# KiCad board panel.kicad_pcb (continued)
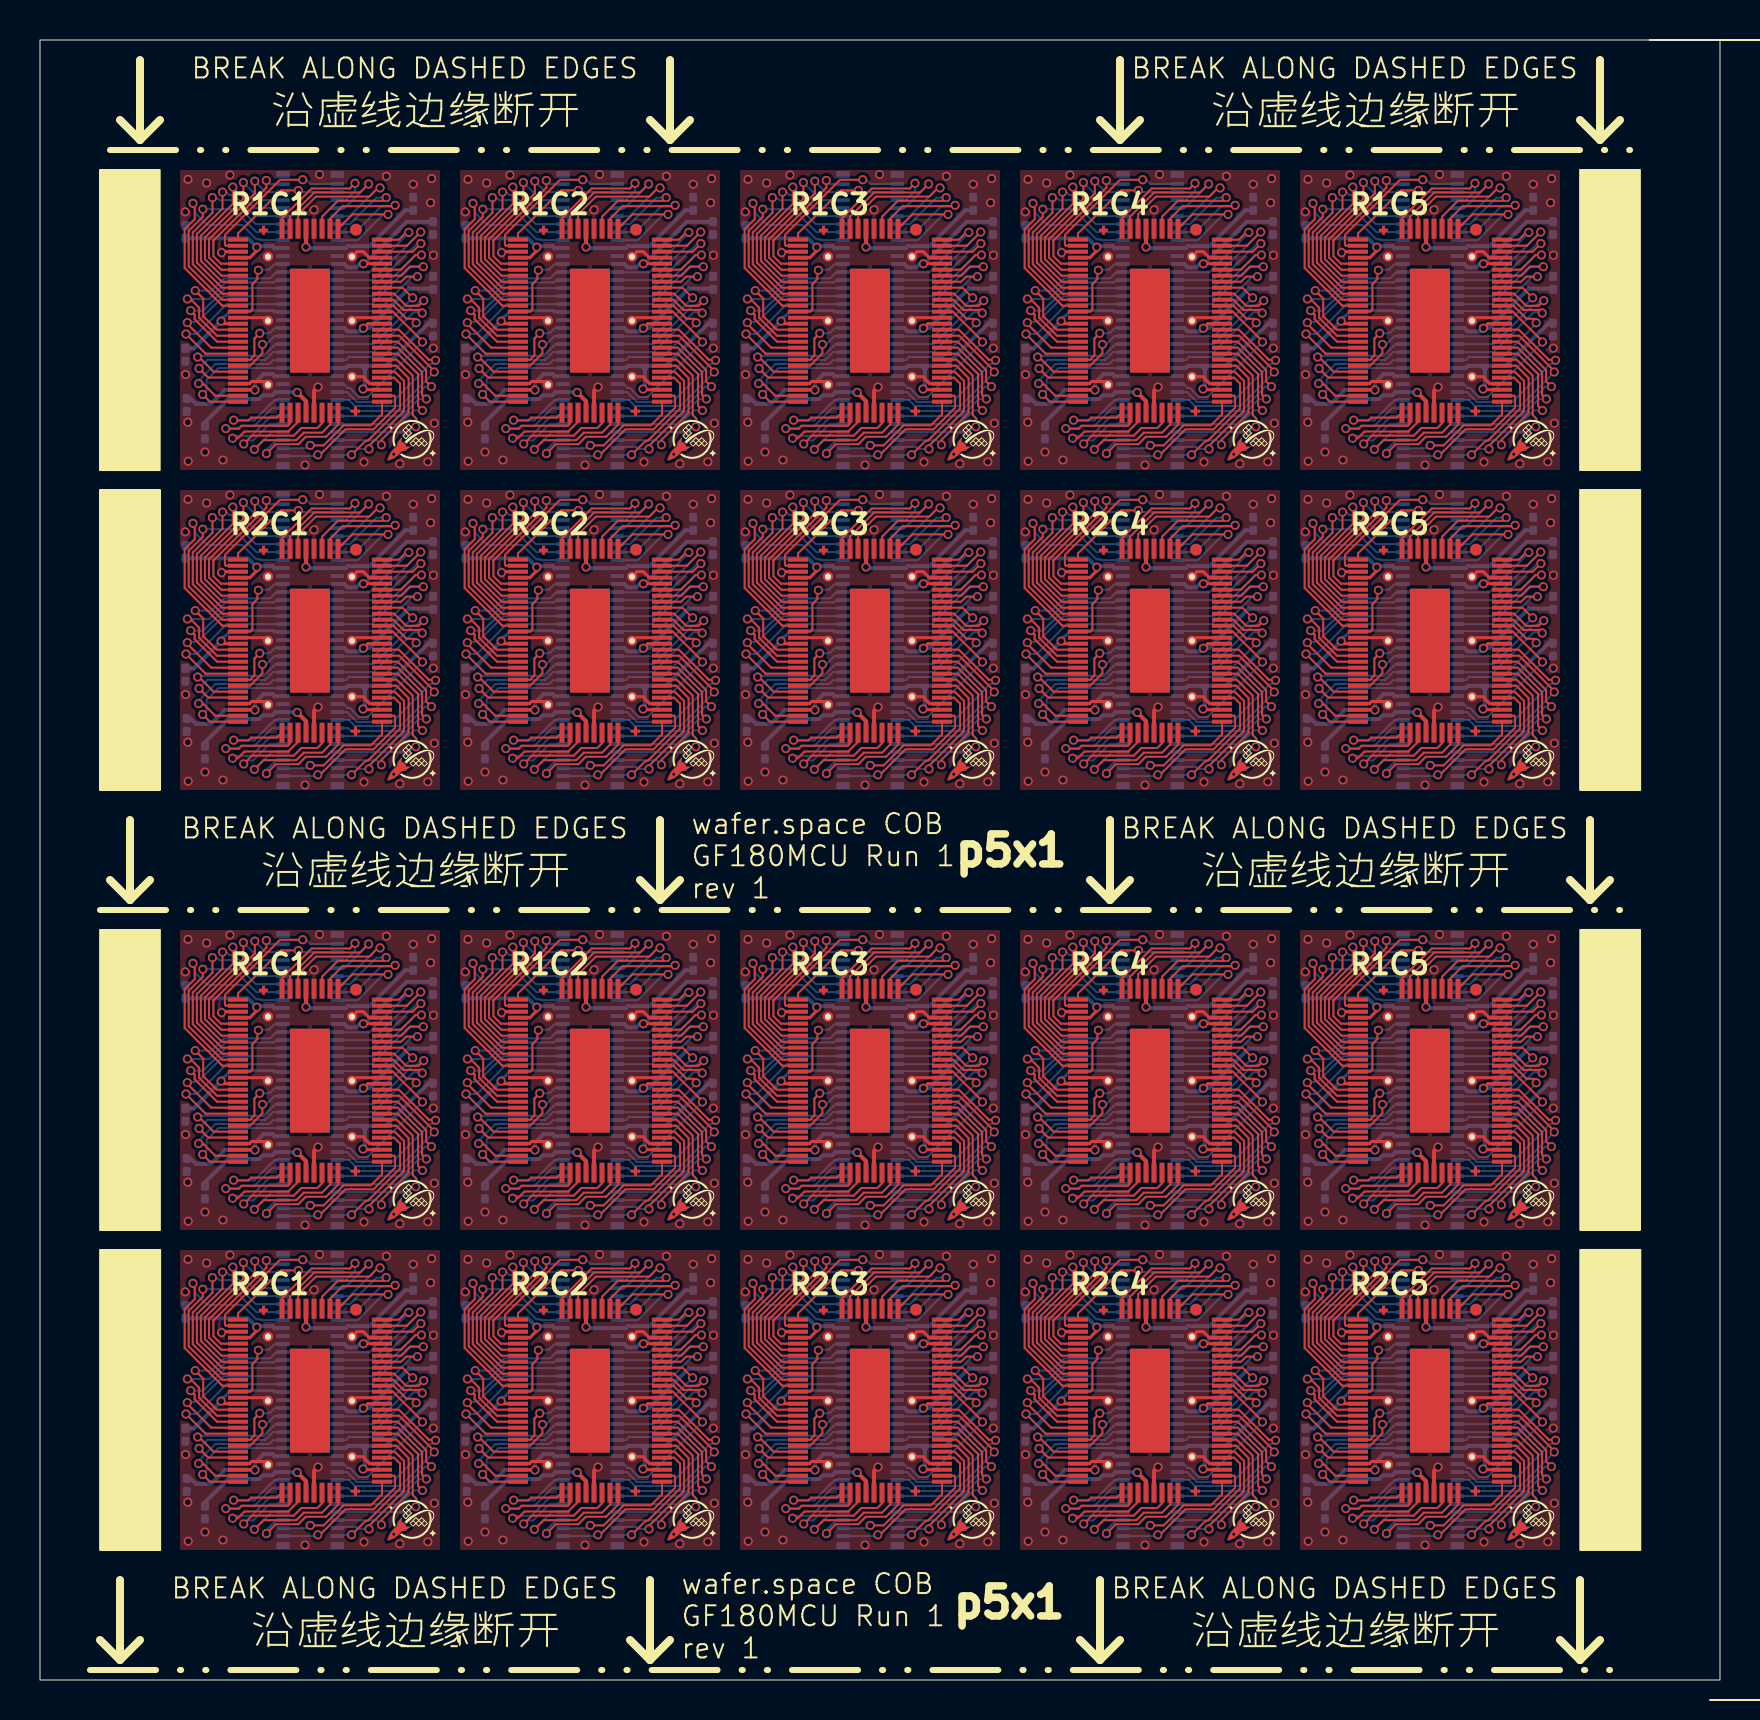
[diagram p0: board, top side]
## Routing (per net, layer and track width the routed paths; a pad name or vN(x,y) marks a point on that pad's centre or on a via; arc(x,y) is an arc through that point) (continued)
/bidir_14: length 169.1
  Top w0.1: v1(63.37,13.87) 63.33,13.84 63.33,13.84 64.56,12.61 65.9,12.61 ; v1(35.37,51.87) 35.33,51.84 35.33,51.84 36.56,50.61 37.9,50.61 ; 37.9,28.61 36.56,28.61 35.33,29.84 35.33,29.84 v1(35.37,29.87) ; 9.9,50.61 8.56,50.61 7.33,51.84 7.33,51.84 v1(7.37,51.87) ; v1(7.37,67.87) 7.33,67.84 7.33,67.84 8.56,66.62 U102#2.27 ; v1(21.37,29.87) 21.33,29.84 21.33,29.84 22.56,28.61 23.9,28.61 ; 23.9,50.61 22.56,50.61 21.33,51.84 21.33,51.84 v1(21.37,51.87) ; U108#2.27 50.56,66.62 49.33,67.84 49.33,67.84 v1(49.37,67.87) ; U106#2.27 36.56,66.62 35.33,67.84 35.33,67.84 v1(35.37,67.87) ; 65.9,28.61 64.56,28.61 63.33,29.84 63.33,29.84 v1(63.37,29.87) ; v1(49.37,13.87) 49.33,13.84 49.33,13.84 50.56,12.61 51.9,12.61 ; v1(7.37,13.87) 7.33,13.84 7.33,13.84 8.56,12.61 9.9,12.61 ; 23.9,12.61 22.56,12.61 21.33,13.84 21.33,13.84 v1(21.37,13.87) ; v1(63.37,51.87) 63.33,51.84 63.33,51.84 64.56,50.61 65.9,50.61 ; v1(21.37,67.87) 21.33,67.84 21.33,67.84 22.56,66.62 U104#2.27 ; U110#2.27 64.56,66.62 63.33,67.84 63.33,67.84 v1(63.37,67.87) ; 51.9,28.61 50.56,28.61 49.33,29.84 49.33,29.84 v1(49.37,29.87) ; 9.9,28.61 8.56,28.61 7.33,29.84 7.33,29.84 v1(7.37,29.87) ; 37.9,12.61 36.56,12.61 35.33,13.84 35.33,13.84 v1(35.37,13.87) ; 51.9,50.61 50.56,50.61 49.33,51.84 49.33,51.84 v1(49.37,51.87)
  Bottom w0.1: v1(7.37,13.87) 7.4,13.91 7.89,13.91 9.18,15.2 U111#2.56 ; U115.56 37.18,15.2 35.89,13.91 35.4,13.91 v1(35.37,13.87) ; v1(7.37,67.87) 7.4,67.91 7.89,67.91 9.18,69.19 U101.56 ; v1(49.37,29.87) 49.4,29.91 49.89,29.91 51.18,31.2 U107#2.56 ; U117.56 51.18,15.2 49.89,13.91 49.4,13.91 v1(49.37,13.87) ; U105.56 37.18,31.2 35.89,29.91 35.4,29.91 v1(35.37,29.87) ; v1(35.37,67.87) 35.4,67.91 35.89,67.91 37.18,69.19 U105#2.56 ; v1(63.37,67.87) 63.4,67.91 63.89,67.91 65.18,69.19 U109.56 ; U101#2.56 9.18,31.2 7.89,29.91 7.4,29.91 v1(7.37,29.87) ; U103.56 23.18,31.2 21.89,29.91 21.4,29.91 v1(21.37,29.87) ; v1(7.37,51.87) 7.4,51.91 7.89,51.91 9.18,53.2 U111.56 ; U113#2.56 23.18,15.2 21.89,13.91 21.4,13.91 v1(21.37,13.87) ; U103#2.56 23.18,69.19 21.89,67.91 21.4,67.91 v1(21.37,67.87) ; v1(63.37,29.87) 63.4,29.91 63.89,29.91 65.18,31.2 U109#2.56 ; v1(35.37,51.87) 35.4,51.91 35.89,51.91 37.18,53.2 U115#2.56 ; U117#2.56 51.18,53.2 49.89,51.91 49.4,51.91 v1(49.37,51.87) ; v1(49.37,67.87) 49.4,67.91 49.89,67.91 51.18,69.19 U107.56 ; v1(63.37,13.87) 63.4,13.91 63.89,13.91 65.18,15.2 U119.56 ; U113.56 23.18,53.2 21.89,51.91 21.4,51.91 v1(21.37,51.87) ; U119#2.56 65.18,53.2 63.89,51.91 63.4,51.91 v1(63.37,51.87)
/bidir_15: length 169.6
  Top w0.1: v1(49.3,13.3) 50.29,12.31 U118#2.28 ; v1(63.3,67.3) 64.28,66.31 65.9,66.31 ; v1(49.3,51.3) 50.29,50.31 U118.28 ; U106.28 36.29,28.31 v1(35.3,29.3) ; U108.28 50.29,28.31 v1(49.3,29.3) ; U120.28 64.28,12.31 v1(63.3,13.3) ; U116.28 36.29,50.31 v1(35.3,51.3) ; v1(35.3,67.3) 36.29,66.31 37.9,66.31 ; 23.9,66.31 22.29,66.31 v1(21.3,67.3) ; U110.28 64.28,28.31 v1(63.3,29.3) ; v1(7.3,13.3) 8.29,12.31 U112#2.28 ; U114#2.28 22.29,12.31 v1(21.3,13.3) ; U114.28 22.29,50.31 v1(21.3,51.3) ; v1(7.3,29.3) 8.29,28.31 U102.28 ; U120#2.28 64.28,50.31 v1(63.3,51.3) ; 9.9,66.31 8.29,66.31 v1(7.3,67.3) ; 51.9,66.31 50.29,66.31 v1(49.3,67.3) ; v1(21.3,29.3) 22.29,28.31 U104.28 ; v1(7.3,51.3) 8.29,50.31 U112.28 ; U116#2.28 36.29,12.31 v1(35.3,13.3)
  Bottom w0.1: U109#2.55 65.34,30.8 63.84,29.3 v1(63.3,29.3) ; v1(63.3,51.3) 63.84,51.3 65.34,52.8 U119#2.55 ; U117.55 51.34,14.8 49.84,13.3 v1(49.3,13.3) ; v1(49.3,29.3) 49.84,29.3 51.34,30.8 U107#2.55 ; U103.55 23.34,30.8 21.84,29.3 v1(21.3,29.3) ; v1(35.3,51.3) 35.84,51.3 37.34,52.8 U115#2.55 ; U103#2.55 23.34,68.8 21.84,67.3 v1(21.3,67.3) ; U107.55 51.34,68.8 49.84,67.3 v1(49.3,67.3) ; v1(7.3,67.3) 7.84,67.3 9.34,68.8 U101.55 ; v1(21.3,51.3) 21.84,51.3 23.34,52.8 U113.55 ; v1(49.3,51.3) 49.84,51.3 51.34,52.8 U117#2.55 ; v1(63.3,13.3) 63.84,13.3 65.34,14.8 U119.55 ; v1(35.3,29.3) 35.84,29.3 37.34,30.8 U105.55 ; U109.55 65.34,68.8 63.84,67.3 v1(63.3,67.3) ; U111#2.55 9.34,14.8 7.84,13.3 v1(7.3,13.3) ; v1(7.3,29.3) 7.84,29.3 9.34,30.8 U101#2.55 ; U111.55 9.34,52.8 7.84,51.3 v1(7.3,51.3) ; v1(35.3,67.3) 35.84,67.3 37.34,68.8 U105#2.55 ; U113#2.55 23.34,14.8 21.84,13.3 v1(21.3,13.3) ; v1(35.3,13.3) 35.84,13.3 37.34,14.8 U115.55
/bidir_16: length 68.1
  Top w0.1: U118#2.29 52.51,12.02 52.72,12.23 52.72,13.07 v1(52.98,13.34) ; v1(10.98,13.34) 10.72,13.07 10.72,12.23 10.51,12.02 U112#2.29 ; U120.29 66.51,12.02 66.72,12.23 66.72,13.07 v1(66.98,13.34) ; v1(24.98,29.34) 24.72,29.07 24.72,28.23 24.51,28.02 U104.29 ; v1(66.98,51.34) 66.72,51.07 66.72,50.23 66.51,50.02 U120#2.29 ; v1(10.98,51.34) 10.72,51.07 10.72,50.23 10.51,50.02 U112.29 ; v1(38.98,13.34) 38.72,13.07 38.72,12.23 38.51,12.02 U116#2.29 ; U116.29 38.51,50.02 38.72,50.23 38.72,51.07 v1(38.98,51.34) ; v1(66.98,29.34) 66.72,29.07 66.72,28.23 66.51,28.02 U110.29 ; U114#2.29 24.51,12.02 24.72,12.23 24.72,13.07 v1(24.98,13.34) ; v1(52.98,29.34) 52.72,29.07 52.72,28.23 52.51,28.02 U108.29 ; v1(52.98,51.34) 52.72,51.07 52.72,50.23 52.51,50.02 U118.29 ; v1(10.98,29.34) 10.72,29.07 10.72,28.23 10.51,28.02 U102.29 ; U106.29 38.51,28.02 38.72,28.23 38.72,29.07 v1(38.98,29.34) ; U102#2.29 10.51,66.02 10.72,66.23 10.72,67.07 v1(10.98,67.34) ; v1(24.98,67.34) 24.72,67.07 24.72,66.23 24.51,66.02 U104#2.29 ; U106#2.29 38.51,66.02 38.72,66.23 38.72,67.07 v1(38.98,67.34) ; v1(24.98,51.34) 24.72,51.07 24.72,50.23 24.51,50.02 U114.29 ; U110#2.29 66.51,66.02 66.72,66.23 66.72,67.07 v1(66.98,67.34) ; U108#2.29 52.51,66.02 52.72,66.23 52.72,67.07 v1(52.98,67.34)
  Bottom w0.1: v1(24.98,13.34) 25.47,13.34 25.73,13.59 U113#2.52 ; v1(52.98,13.34) 53.47,13.34 53.73,13.59 U117.52 ; v1(52.98,29.34) 53.47,29.34 53.73,29.59 U107#2.52 ; U103.52 25.73,29.59 25.47,29.34 v1(24.98,29.34) ; U107.52 53.73,67.59 53.47,67.34 v1(52.98,67.34) ; U103#2.52 25.73,67.59 25.47,67.34 v1(24.98,67.34) ; v1(66.98,51.34) 67.47,51.34 67.72,51.59 U119#2.52 ; v1(38.98,51.34) 39.47,51.34 39.73,51.59 U115#2.52 ; U105.52 39.73,29.59 39.47,29.34 v1(38.98,29.34) ; v1(66.98,29.34) 67.47,29.34 67.72,29.59 U109#2.52 ; U115.52 39.73,13.59 39.47,13.34 v1(38.98,13.34) ; U119.52 67.72,13.59 67.47,13.34 v1(66.98,13.34) ; v1(66.98,67.34) 67.47,67.34 67.72,67.59 U109.52 ; U101.52 11.73,67.59 11.47,67.34 v1(10.98,67.34) ; v1(52.98,51.34) 53.47,51.34 53.73,51.59 U117#2.52 ; v1(10.98,29.34) 11.47,29.34 11.73,29.59 U101#2.52 ; v1(10.98,51.34) 11.47,51.34 11.73,51.59 U111.52 ; v1(24.98,51.34) 25.47,51.34 25.73,51.59 U113.52 ; U111#2.52 11.73,13.59 11.47,13.34 v1(10.98,13.34) ; v1(38.98,67.34) 39.47,67.34 39.73,67.59 U105#2.52
/bidir_17: length 62.6
  Top w0.1: U118#2.30 52.5,11.72 53.12,12.33 v1(53.12,12.78) ; v1(11.12,28.78) 11.12,28.33 10.5,27.72 U102.30 ; U116.30 38.5,49.72 39.12,50.33 v1(39.12,50.78) ; v1(11.12,50.78) 11.12,50.33 10.5,49.72 U112.30 ; v1(11.12,12.78) 11.12,12.33 10.5,11.72 U112#2.30 ; v1(39.12,28.78) 39.12,28.33 38.5,27.72 U106.30 ; v1(25.12,28.78) 25.12,28.33 24.5,27.72 U104.30 ; v1(67.12,66.78) 67.12,66.33 66.5,65.72 U110#2.30 ; U114.30 24.5,49.72 25.12,50.33 v1(25.12,50.78) ; U116#2.30 38.5,11.72 39.12,12.33 v1(39.12,12.78) ; v1(25.12,66.78) 25.12,66.33 24.5,65.72 U104#2.30 ; v1(25.12,12.78) 25.12,12.33 24.5,11.72 U114#2.30 ; v1(39.12,66.78) 39.12,66.33 38.5,65.72 U106#2.30 ; v1(53.12,66.78) 53.12,66.33 52.5,65.72 U108#2.30 ; v1(11.12,66.78) 11.12,66.33 10.5,65.72 U102#2.30 ; v1(67.12,12.78) 67.12,12.33 66.5,11.72 U120.30 ; U108.30 52.5,27.72 53.12,28.33 v1(53.12,28.78) ; U120#2.30 66.5,49.72 67.12,50.33 v1(67.12,50.78) ; v1(67.12,28.78) 67.12,28.33 66.5,27.72 U110.30 ; U118.30 52.5,49.72 53.12,50.33 v1(53.12,50.78)
  Bottom w0.1: U109#2.51 67.72,29.2 67.31,28.78 v1(67.12,28.78) ; v1(67.12,66.78) 67.31,66.78 67.72,67.19 U109.51 ; U119#2.51 67.72,51.2 67.31,50.78 v1(67.12,50.78) ; U111.51 11.73,51.2 11.31,50.78 v1(11.12,50.78) ; v1(25.12,12.78) 25.31,12.78 25.73,13.2 U113#2.51 ; U105#2.51 39.73,67.19 39.31,66.78 v1(39.12,66.78) ; v1(11.12,66.78) 11.31,66.78 11.73,67.19 U101.51 ; v1(39.12,50.78) 39.31,50.78 39.73,51.2 U115#2.51 ; U107#2.51 53.73,29.2 53.31,28.78 v1(53.12,28.78) ; U119.51 67.72,13.2 67.31,12.78 v1(67.12,12.78) ; U101#2.51 11.73,29.2 11.31,28.78 v1(11.12,28.78) ; v1(25.12,28.78) 25.31,28.78 25.73,29.2 U103.51 ; U107.51 53.73,67.19 53.31,66.78 v1(53.12,66.78) ; U105.51 39.73,29.2 39.31,28.78 v1(39.12,28.78) ; v1(53.12,50.78) 53.31,50.78 53.73,51.2 U117#2.51 ; U113.51 25.73,51.2 25.31,50.78 v1(25.12,50.78) ; v1(25.12,66.78) 25.31,66.78 25.73,67.19 U103#2.51 ; U115.51 39.73,13.2 39.31,12.78 v1(39.12,12.78) ; v1(11.12,12.78) 11.31,12.78 11.73,13.2 U111#2.51 ; v1(53.12,12.78) 53.31,12.78 53.73,13.2 U117.51
/bidir_18: length 137.3
  Top w0.1: v1(35.88,66.15) 35.95,66.15 36.68,65.41 37.9,65.41 ; U118.31 50.68,49.42 49.95,50.15 v1(49.88,50.15) ; U120#2.31 64.68,49.42 63.95,50.15 v1(63.88,50.15) ; v1(21.88,12.15) 21.95,12.15 22.68,11.42 U114#2.31 ; v1(7.88,50.15) 7.95,50.15 8.68,49.42 U112.31 ; v1(21.88,50.15) 21.95,50.15 22.68,49.42 U114.31 ; U120.31 64.68,11.42 63.95,12.15 v1(63.88,12.15) ; v1(63.88,66.15) 63.95,66.15 64.68,65.41 65.9,65.41 ; v1(7.88,66.15) 7.95,66.15 8.68,65.41 9.9,65.41 ; v1(35.88,50.15) 35.95,50.15 36.68,49.42 U116.31 ; U104.31 22.68,27.42 21.95,28.15 v1(21.88,28.15) ; v1(49.88,28.15) 49.95,28.15 50.68,27.42 U108.31 ; v1(49.88,66.15) 49.95,66.15 50.68,65.41 51.9,65.41 ; U102.31 8.68,27.42 7.95,28.15 v1(7.88,28.15) ; U112#2.31 8.68,11.42 7.95,12.15 v1(7.88,12.15) ; v1(35.88,12.15) 35.95,12.15 36.68,11.42 U116#2.31 ; v1(35.88,28.15) 35.95,28.15 36.68,27.42 U106.31 ; U118#2.31 50.68,11.42 49.95,12.15 v1(49.88,12.15) ; v1(63.88,28.15) 63.95,28.15 64.68,27.42 U110.31 ; 23.9,65.41 22.68,65.41 21.95,66.15 v1(21.88,66.15)
  Bottom w0.1: U115#2.50 39.76,50.8 39.18,50.21 35.94,50.21 v1(35.88,50.15) ; U119#2.50 67.76,50.8 67.18,50.21 63.94,50.21 v1(63.88,50.15) ; U111#2.50 11.76,12.8 11.18,12.21 7.94,12.21 v1(7.88,12.15) ; U105#2.50 39.76,66.8 39.18,66.21 35.94,66.21 v1(35.88,66.15) ; U105.50 39.76,28.8 39.18,28.21 35.94,28.21 v1(35.88,28.15) ; v1(7.88,50.15) 7.94,50.21 11.18,50.21 11.76,50.8 U111.50 ; U113.50 25.76,50.8 25.18,50.21 21.94,50.21 v1(21.88,50.15) ; U107#2.50 53.76,28.8 53.18,28.21 49.94,28.21 v1(49.88,28.15) ; U103.50 25.76,28.8 25.18,28.21 21.94,28.21 v1(21.88,28.15) ; v1(21.88,12.15) 21.94,12.21 25.18,12.21 25.76,12.8 U113#2.50 ; v1(49.88,12.15) 49.94,12.21 53.18,12.21 53.76,12.8 U117.50 ; v1(49.88,50.15) 49.94,50.21 53.18,50.21 53.76,50.8 U117#2.50 ; v1(49.88,66.15) 49.94,66.21 53.18,66.21 53.76,66.8 U107.50 ; U103#2.50 25.76,66.8 25.18,66.21 21.94,66.21 v1(21.88,66.15) ; U115.50 39.76,12.8 39.18,12.21 35.94,12.21 v1(35.88,12.15) ; v1(7.88,66.15) 7.94,66.21 11.18,66.21 11.76,66.8 U101.50 ; v1(63.88,28.15) 63.94,28.21 67.18,28.21 67.76,28.8 U109#2.50 ; v1(63.88,12.15) 63.94,12.21 67.18,12.21 67.76,12.8 U119.50 ; v1(63.88,66.15) 63.94,66.21 67.18,66.21 67.76,66.8 U109.50 ; U101#2.50 11.76,28.8 11.18,28.21 7.94,28.21 v1(7.88,28.15)
/bidir_19: length 133.7
  Top w0.1: 65.9,27.11 65.89,27.12 64.41,27.12 v1(63.95,27.58) ; v1(35.95,11.58) 36.41,11.12 37.89,11.12 37.9,11.11 ; 65.9,49.11 65.89,49.12 64.41,49.12 v1(63.95,49.58) ; v1(49.95,65.58) 50.41,65.12 51.89,65.12 U108#2.32 ; v1(21.95,65.58) 22.41,65.12 23.89,65.12 U104#2.32 ; v1(7.95,11.58) 8.41,11.12 9.89,11.12 9.9,11.11 ; v1(21.95,49.58) 22.41,49.12 23.89,49.12 23.9,49.11 ; 23.9,27.11 23.89,27.12 22.41,27.12 v1(21.95,27.58) ; 37.9,49.11 37.89,49.12 36.41,49.12 v1(35.95,49.58) ; 9.9,49.11 9.89,49.12 8.41,49.12 v1(7.95,49.58) ; U110#2.32 65.89,65.12 64.41,65.12 v1(63.95,65.58) ; 51.9,27.11 51.89,27.12 50.41,27.12 v1(49.95,27.58) ; 23.9,11.11 23.89,11.12 22.41,11.12 v1(21.95,11.58) ; v1(63.95,11.58) 64.41,11.12 65.89,11.12 65.9,11.11 ; 37.9,27.11 37.89,27.12 36.41,27.12 v1(35.95,27.58) ; v1(49.95,49.58) 50.41,49.12 51.89,49.12 51.9,49.11 ; v1(7.95,65.58) 8.41,65.12 9.89,65.12 U102#2.32 ; U106#2.32 37.89,65.12 36.41,65.12 v1(35.95,65.58) ; v1(49.95,11.58) 50.41,11.12 51.89,11.12 51.9,11.11 ; 9.9,27.11 9.89,27.12 8.41,27.12 v1(7.95,27.58)
  Bottom w0.1: 68.16,28.39 67.65,28.39 67.26,28.01 64.38,28.01 v1(63.95,27.58) ; 54.15,28.39 53.65,28.39 53.26,28.01 50.38,28.01 v1(49.95,27.58) ; v1(63.95,11.58) 64.38,12.01 67.26,12.01 67.65,12.39 68.16,12.39 ; 26.15,28.39 25.65,28.39 25.26,28.01 22.38,28.01 v1(21.95,27.58) ; 54.15,50.39 53.65,50.39 53.26,50.01 50.38,50.01 v1(49.95,49.58) ; 26.15,50.39 25.65,50.39 25.26,50.01 22.38,50.01 v1(21.95,49.58) ; v1(35.95,11.58) 36.38,12.01 39.26,12.01 39.65,12.39 40.15,12.39 ; v1(21.95,65.58) 22.38,66.01 25.26,66.01 25.65,66.4 U103#2.49 ; 40.15,28.39 39.65,28.39 39.26,28.01 36.38,28.01 v1(35.95,27.58) ; v1(63.95,49.58) 64.38,50.01 67.26,50.01 67.65,50.39 68.16,50.39 ; v1(35.95,65.58) 36.38,66.01 39.26,66.01 39.65,66.4 U105#2.49 ; 40.15,50.39 39.65,50.39 39.26,50.01 36.38,50.01 v1(35.95,49.58) ; U107.49 53.65,66.4 53.26,66.01 50.38,66.01 v1(49.95,65.58) ; U101.49 11.65,66.4 11.26,66.01 8.38,66.01 v1(7.95,65.58) ; v1(7.95,49.58) 8.38,50.01 11.26,50.01 11.65,50.39 12.15,50.39 ; v1(49.95,11.58) 50.38,12.01 53.26,12.01 53.65,12.39 54.15,12.39 ; 26.15,12.39 25.65,12.39 25.26,12.01 22.38,12.01 v1(21.95,11.58) ; 12.15,12.39 11.65,12.39 11.26,12.01 8.38,12.01 v1(7.95,11.58) ; U109.49 67.65,66.4 67.26,66.01 64.38,66.01 v1(63.95,65.58) ; 12.15,28.39 11.65,28.39 11.26,28.01 8.38,28.01 v1(7.95,27.58)
/bidir_20: length 140.3
  Top w0.1: v1(63.93,48.82) 64.16,48.82 64.76,48.22 U120#2.35 ; v1(21.93,10.82) 22.16,10.82 22.76,10.22 U114#2.35 ; U110#2.35 64.76,64.22 64.16,64.82 v1(63.93,64.82) ; U104#2.35 22.76,64.22 22.16,64.82 v1(21.93,64.82) ; U102.35 8.76,26.22 8.16,26.82 v1(7.93,26.82) ; U114.35 22.76,48.22 22.16,48.82 v1(21.93,48.82) ; U116#2.35 36.76,10.22 36.16,10.82 v1(35.93,10.82) ; U106.35 36.76,26.22 36.16,26.82 v1(35.93,26.82) ; v1(7.93,64.82) 8.16,64.82 8.76,64.22 U102#2.35 ; v1(63.93,26.82) 64.16,26.82 64.76,26.22 U110.35 ; v1(7.93,10.82) 8.16,10.82 8.76,10.22 U112#2.35 ; U108.35 50.76,26.22 50.16,26.82 v1(49.93,26.82) ; U118.35 50.76,48.22 50.16,48.82 v1(49.93,48.82) ; U118#2.35 50.76,10.22 50.16,10.82 v1(49.93,10.82) ; U112.35 8.76,48.22 8.16,48.82 v1(7.93,48.82) ; v1(21.93,26.82) 22.16,26.82 22.76,26.22 U104.35 ; U116.35 36.76,48.22 36.16,48.82 v1(35.93,48.82) ; v1(63.93,10.82) 64.16,10.82 64.76,10.22 U120.35 ; U108#2.35 50.76,64.22 50.16,64.82 v1(49.93,64.82) ; U106#2.35 36.76,64.22 36.16,64.82 v1(35.93,64.82)
  Bottom w0.1: v1(63.93,10.82) 63.93,10.96 64.77,11.8 67.47,11.8 67.66,12 U119.48 ; v1(21.93,64.82) 21.93,64.96 22.77,65.8 25.47,65.8 25.66,66 U103#2.48 ; v1(7.93,26.82) 7.93,26.96 8.77,27.8 11.47,27.8 11.66,28 U101#2.48 ; U109#2.48 67.66,28 67.47,27.8 64.77,27.8 63.93,26.96 v1(63.93,26.82) ; U105#2.48 39.66,66 39.47,65.8 36.77,65.8 35.93,64.96 v1(35.93,64.82) ; U107.48 53.66,66 53.47,65.8 50.77,65.8 49.93,64.96 v1(49.93,64.82) ; U113#2.48 25.66,12 25.47,11.8 22.77,11.8 21.93,10.96 v1(21.93,10.82) ; U103.48 25.66,28 25.47,27.8 22.77,27.8 21.93,26.96 v1(21.93,26.82) ; v1(63.93,64.82) 63.93,64.96 64.77,65.8 67.47,65.8 67.66,66 U109.48 ; U111.48 11.66,50 11.47,49.8 8.77,49.8 7.93,48.96 v1(7.93,48.82) ; v1(49.93,26.82) 49.93,26.96 50.77,27.8 53.47,27.8 53.66,28 U107#2.48 ; U105.48 39.66,28 39.47,27.8 36.77,27.8 35.93,26.96 v1(35.93,26.82) ; v1(35.93,48.82) 35.93,48.96 36.77,49.8 39.47,49.8 39.66,50 U115#2.48 ; v1(35.93,10.82) 35.93,10.96 36.77,11.8 39.47,11.8 39.66,12 U115.48 ; v1(7.93,64.82) 7.93,64.96 8.77,65.8 11.47,65.8 11.66,66 U101.48 ; U119#2.48 67.66,50 67.47,49.8 64.77,49.8 63.93,48.96 v1(63.93,48.82) ; U117#2.48 53.66,50 53.47,49.8 50.77,49.8 49.93,48.96 v1(49.93,48.82) ; U117.48 53.66,12 53.47,11.8 50.77,11.8 49.93,10.96 v1(49.93,10.82) ; v1(21.93,48.82) 21.93,48.96 22.77,49.8 25.47,49.8 25.66,50 U113.48 ; v1(7.93,10.82) 7.93,10.96 8.77,11.8 11.47,11.8 11.66,12 U111#2.48
/bidir_21: length 135.9
  Top w0.1: U118#2.36 50.49,9.92 v1(50.13,10.28) ; v1(36.13,64.28) 36.49,63.91 37.9,63.91 ; v1(64.13,10.28) 64.5,9.92 U120.36 ; U104.36 22.49,25.92 v1(22.13,26.28) ; v1(22.13,10.28) 22.49,9.92 U114#2.36 ; v1(8.13,26.28) 8.49,25.92 U102.36 ; v1(22.13,64.28) 22.49,63.91 23.9,63.91 ; v1(64.13,48.28) 64.5,47.92 U120#2.36 ; v1(36.13,48.28) 36.49,47.92 U116.36 ; v1(36.13,26.28) 36.49,25.92 U106.36 ; v1(8.13,48.28) 8.49,47.92 U112.36 ; v1(50.13,26.28) 50.49,25.92 U108.36 ; v1(50.13,48.28) 50.49,47.92 U118.36 ; v1(50.13,64.28) 50.49,63.91 51.9,63.91 ; v1(64.13,64.28) 64.5,63.91 65.9,63.91 ; v1(8.13,64.28) 8.49,63.91 9.9,63.91 ; v1(64.13,26.28) 64.5,25.92 U110.36 ; v1(8.13,10.28) 8.49,9.92 U112#2.36 ; v1(36.13,10.28) 36.49,9.92 U116#2.36 ; U114.36 22.49,47.92 v1(22.13,48.28)
  Bottom w0.1: v1(8.13,26.28) 8.33,26.48 8.33,27 8.93,27.6 12.15,27.6 U101#2.47 ; U117.47 54.15,11.6 50.93,11.6 50.33,11 50.33,10.48 v1(50.13,10.28) ; U115#2.47 40.15,49.6 36.93,49.6 36.33,49 36.33,48.48 v1(36.13,48.28) ; U117#2.47 54.15,49.6 50.93,49.6 50.33,49 50.33,48.48 v1(50.13,48.28) ; U103#2.47 26.15,65.6 22.93,65.6 22.33,65 22.33,64.48 v1(22.13,64.28) ; U103.47 26.15,27.6 22.93,27.6 22.33,27 22.33,26.48 v1(22.13,26.28) ; U111.47 12.15,49.6 8.93,49.6 8.33,49 8.33,48.48 v1(8.13,48.28) ; v1(8.13,10.28) 8.33,10.48 8.33,11 8.93,11.6 12.15,11.6 U111#2.47 ; U115.47 40.15,11.6 36.93,11.6 36.33,11 36.33,10.48 v1(36.13,10.28) ; U119.47 68.15,11.6 64.93,11.6 64.33,11 64.33,10.48 v1(64.13,10.28) ; v1(50.13,26.28) 50.33,26.48 50.33,27 50.93,27.6 54.15,27.6 U107#2.47 ; U109.47 68.15,65.6 64.93,65.6 64.33,65 64.33,64.48 v1(64.13,64.28) ; v1(64.13,26.28) 64.33,26.48 64.33,27 64.93,27.6 68.15,27.6 U109#2.47 ; U113.47 26.15,49.6 22.93,49.6 22.33,49 22.33,48.48 v1(22.13,48.28) ; v1(8.13,64.28) 8.33,64.48 8.33,65 8.93,65.6 12.15,65.6 U101.47 ; U105#2.47 40.15,65.6 36.93,65.6 36.33,65 36.33,64.48 v1(36.13,64.28) ; U107.47 54.15,65.6 50.93,65.6 50.33,65 50.33,64.48 v1(50.13,64.28) ; v1(64.13,48.28) 64.33,48.48 64.33,49 64.93,49.6 68.15,49.6 U119#2.47 ; U105.47 40.15,27.6 36.93,27.6 36.33,27 36.33,26.48 v1(36.13,26.28) ; v1(22.13,10.28) 22.33,10.48 22.33,11 22.93,11.6 26.15,11.6 U113#2.47
/bidir_22: length 125.4
  Top w0.1: U102.45 17.1,25.29 16.54,24.73 15.18,24.73 14.18,23.73 v1(13.51,23.73) ; v1(41.51,7.73) 42.18,7.73 43.18,8.73 44.54,8.73 45.1,9.29 U116#2.45 ; U112#2.45 17.1,9.29 16.54,8.73 15.18,8.73 14.18,7.73 v1(13.51,7.73) ; 73.1,63.91 73.1,63.29 72.55,62.73 71.19,62.73 70.18,61.73 v1(69.51,61.73) ; U108.45 59.1,25.29 58.54,24.73 57.18,24.73 56.18,23.73 v1(55.51,23.73) ; U114#2.45 31.1,9.29 30.54,8.73 29.18,8.73 28.18,7.73 v1(27.51,7.73) ; v1(27.51,45.73) 28.18,45.73 29.18,46.73 30.54,46.73 31.1,47.29 U114.45 ; v1(41.51,23.73) 42.18,23.73 43.18,24.73 44.54,24.73 45.1,25.29 U106.45 ; U110.45 73.1,25.29 72.55,24.73 71.19,24.73 70.18,23.73 v1(69.51,23.73) ; U118.45 59.1,47.29 58.54,46.73 57.18,46.73 56.18,45.73 v1(55.51,45.73) ; v1(27.51,61.73) 28.18,61.73 29.18,62.73 30.54,62.73 31.1,63.29 31.1,63.91 ; v1(27.51,23.73) 28.18,23.73 29.18,24.73 30.54,24.73 31.1,25.29 U104.45 ; v1(69.51,45.73) 70.18,45.73 71.19,46.73 72.55,46.73 73.1,47.29 U120#2.45 ; v1(41.51,45.73) 42.18,45.73 43.18,46.73 44.54,46.73 45.1,47.29 U116.45 ; v1(55.51,7.73) 56.18,7.73 57.18,8.73 58.54,8.73 59.1,9.29 U118#2.45 ; v1(13.51,61.73) 14.18,61.73 15.18,62.73 16.54,62.73 17.1,63.29 17.1,63.91 ; 45.1,63.91 45.1,63.29 44.54,62.73 43.18,62.73 42.18,61.73 v1(41.51,61.73) ; 59.1,63.91 59.1,63.29 58.54,62.73 57.18,62.73 56.18,61.73 v1(55.51,61.73) ; U120.45 73.1,9.29 72.55,8.73 71.19,8.73 70.18,7.73 v1(69.51,7.73) ; U112.45 17.1,47.29 16.54,46.73 15.18,46.73 14.18,45.73 v1(13.51,45.73)
  Bottom w0.1: v1(69.51,45.73) 69.38,45.59 U119#2.37 ; U111.37 13.37,45.59 v1(13.51,45.73) ; v1(13.51,23.73) 13.37,23.59 U101#2.37 ; v1(55.51,45.73) 55.37,45.59 U117#2.37 ; v1(13.51,61.73) 13.37,61.59 U101.37 ; v1(41.51,23.73) 41.37,23.59 U105.37 ; v1(27.51,23.73) 27.37,23.59 U103.37 ; U105#2.37 41.37,61.59 v1(41.51,61.73) ; v1(27.51,61.73) 27.37,61.59 U103#2.37 ; v1(55.51,23.73) 55.37,23.59 U107#2.37 ; U117.37 55.37,7.59 v1(55.51,7.73) ; U109.37 69.38,61.59 v1(69.51,61.73) ; U119.37 69.38,7.59 v1(69.51,7.73) ; v1(13.51,7.73) 13.37,7.59 U111#2.37 ; v1(27.51,7.73) 27.37,7.59 U113#2.37 ; U113.37 27.37,45.59 v1(27.51,45.73) ; v1(41.51,7.73) 41.37,7.59 U115.37 ; v1(41.51,45.73) 41.37,45.59 U115#2.37 ; U107.37 55.37,61.59 v1(55.51,61.73) ; v1(69.51,23.73) 69.38,23.59 U109#2.37
/bidir_23: length 156.5
  Top w0.1: v1(55.89,45.26) 56,45.26 57.27,46.53 58.67,46.53 59.75,47.61 59.75,48.17 59.71,48.22 U118.46 ; v1(27.89,61.26) 28,61.26 29.27,62.53 30.67,62.53 31.75,63.61 31.75,64.17 31.71,64.22 U104#2.46 ; U104.46 31.71,26.22 31.75,26.17 31.75,25.61 30.67,24.53 29.27,24.53 28,23.26 v1(27.89,23.26) ; v1(13.89,45.26) 14,45.26 15.27,46.53 16.67,46.53 17.75,47.61 17.75,48.17 17.71,48.22 U112.46 ; v1(27.89,7.26) 28,7.26 29.27,8.53 30.67,8.53 31.75,9.61 31.75,10.17 31.71,10.22 U114#2.46 ; v1(13.89,61.26) 14,61.26 15.27,62.53 16.67,62.53 17.75,63.61 17.75,64.17 17.71,64.22 U102#2.46 ; U110#2.46 73.71,64.22 73.75,64.17 73.75,63.61 72.67,62.53 71.27,62.53 70,61.26 v1(69.89,61.26) ; U102.46 17.71,26.22 17.75,26.17 17.75,25.61 16.67,24.53 15.27,24.53 14,23.26 v1(13.89,23.26) ; U108#2.46 59.71,64.22 59.75,64.17 59.75,63.61 58.67,62.53 57.27,62.53 56,61.26 v1(55.89,61.26) ; v1(27.89,45.26) 28,45.26 29.27,46.53 30.67,46.53 31.75,47.61 31.75,48.17 31.71,48.22 U114.46 ; v1(69.89,45.26) 70,45.26 71.27,46.53 72.67,46.53 73.75,47.61 73.75,48.17 73.71,48.22 U120#2.46 ; v1(69.89,23.26) 70,23.26 71.27,24.53 72.67,24.53 73.75,25.61 73.75,26.17 73.71,26.22 U110.46 ; v1(41.89,7.26) 42,7.26 43.27,8.53 44.67,8.53 45.75,9.61 45.75,10.17 45.71,10.22 U116#2.46 ; U120.46 73.71,10.22 73.75,10.17 73.75,9.61 72.67,8.53 71.27,8.53 70,7.26 v1(69.89,7.26) ; v1(41.89,23.26) 42,23.26 43.27,24.53 44.67,24.53 45.75,25.61 45.75,26.17 45.71,26.22 U106.46 ; v1(13.89,7.26) 14,7.26 15.27,8.53 16.67,8.53 17.75,9.61 17.75,10.17 17.71,10.22 U112#2.46 ; v1(41.89,61.26) 42,61.26 43.27,62.53 44.67,62.53 45.75,63.61 45.75,64.17 45.71,64.22 U106#2.46 ; v1(41.89,45.26) 42,45.26 43.27,46.53 44.67,46.53 45.75,47.61 45.75,48.17 45.71,48.22 U116.46 ; v1(55.89,7.26) 56,7.26 57.27,8.53 58.67,8.53 59.75,9.61 59.75,10.17 59.71,10.22 U118#2.46 ; v1(55.89,23.26) 56,23.26 57.27,24.53 58.67,24.53 59.75,25.61 59.75,26.17 59.71,26.22 U108.46
  Bottom w0.1: v1(27.89,45.26) 27.82,45.2 U113.36 ; U115#2.36 41.82,45.2 v1(41.89,45.26) ; U101#2.36 13.82,23.2 v1(13.89,23.26) ; U119#2.36 69.82,45.2 v1(69.89,45.26) ; v1(27.89,7.26) 27.82,7.2 U113#2.36 ; v1(69.89,23.26) 69.82,23.2 U109#2.36 ; v1(13.89,61.26) 13.82,61.2 12.15,61.2 ; U103.36 27.82,23.2 v1(27.89,23.26) ; v1(13.89,45.26) 13.82,45.2 U111.36 ; U111#2.36 13.82,7.2 v1(13.89,7.26) ; 40.15,61.2 41.82,61.2 v1(41.89,61.26) ; U117.36 55.82,7.2 v1(55.89,7.26) ; v1(55.89,61.26) 55.82,61.2 54.15,61.2 ; v1(55.89,45.26) 55.82,45.2 U117#2.36 ; v1(41.89,23.26) 41.82,23.2 U105.36 ; v1(69.89,61.26) 69.82,61.2 68.16,61.2 ; U119.36 69.82,7.2 v1(69.89,7.26) ; U115.36 41.82,7.2 v1(41.89,7.26) ; v1(55.89,23.26) 55.82,23.2 U107#2.36 ; v1(27.89,61.26) 27.82,61.2 26.15,61.2
/bidir_24: length 127.8
  Top w0.1: 17.1,11.11 17.71,11.11 18,10.82 18,9.57 16.38,7.95 16.27,7.95 v1(15.58,7.26) ; 59.1,49.11 59.71,49.11 60,48.82 60,47.57 58.38,45.95 58.27,45.95 v1(57.58,45.26) ; v1(43.58,61.26) 44.27,61.95 44.38,61.95 46,63.57 46,64.82 45.71,65.12 U106#2.49 ; U108#2.49 59.71,65.12 60,64.82 60,63.57 58.38,61.95 58.27,61.95 v1(57.58,61.26) ; v1(71.58,45.26) 72.27,45.95 72.38,45.95 74,47.57 74,48.82 73.71,49.11 73.1,49.11 ; U110#2.49 73.71,65.12 74,64.82 74,63.57 72.38,61.95 72.27,61.95 v1(71.58,61.26) ; 45.1,49.11 45.71,49.11 46,48.82 46,47.57 44.38,45.95 44.27,45.95 v1(43.58,45.26) ; v1(29.58,61.26) 30.27,61.95 30.38,61.95 32,63.57 32,64.82 31.71,65.12 U104#2.49 ; 17.1,27.11 17.71,27.11 18,26.82 18,25.57 16.38,23.95 16.27,23.95 v1(15.58,23.26) ; v1(43.58,23.26) 44.27,23.95 44.38,23.95 46,25.57 46,26.82 45.71,27.11 45.1,27.11 ; U102#2.49 17.71,65.12 18,64.82 18,63.57 16.38,61.95 16.27,61.95 v1(15.58,61.26) ; v1(15.58,45.26) 16.27,45.95 16.38,45.95 18,47.57 18,48.82 17.71,49.11 17.1,49.11 ; v1(71.58,23.26) 72.27,23.95 72.38,23.95 74,25.57 74,26.82 73.71,27.11 73.1,27.11 ; 31.1,49.11 31.71,49.11 32,48.82 32,47.57 30.38,45.95 30.27,45.95 v1(29.58,45.26) ; 73.1,11.11 73.71,11.11 74,10.82 74,9.57 72.38,7.95 72.27,7.95 v1(71.58,7.26) ; v1(29.58,23.26) 30.27,23.95 30.38,23.95 32,25.57 32,26.82 31.71,27.11 31.1,27.11 ; 45.1,11.11 45.71,11.11 46,10.82 46,9.57 44.38,7.95 44.27,7.95 v1(43.58,7.26) ; v1(29.58,7.26) 30.27,7.95 30.38,7.95 32,9.57 32,10.82 31.71,11.11 31.1,11.11 ; v1(57.58,23.26) 58.27,23.95 58.38,23.95 60,25.57 60,26.82 59.71,27.11 59.1,27.11 ; 59.1,11.11 59.71,11.11 60,10.82 60,9.57 58.38,7.95 58.27,7.95 v1(57.58,7.26)
  Bottom w0.1: U115#2.35 42.93,45.26 v1(43.58,45.26) ; v1(29.58,23.26) 28.93,23.26 U103.35 ; 70.87,61.2 70.93,61.26 v1(71.58,61.26) ; v1(29.58,45.26) 28.93,45.26 U113.35 ; U119.35 70.93,7.26 v1(71.58,7.26) ; U111.35 14.93,45.26 v1(15.58,45.26) ; U115.35 42.93,7.26 v1(43.58,7.26) ; v1(57.58,45.26) 56.93,45.26 U117#2.35 ; v1(29.58,7.26) 28.93,7.26 U113#2.35 ; v1(15.58,61.26) 14.93,61.26 14.87,61.2 ; v1(15.58,7.26) 14.93,7.26 U111#2.35 ; U109#2.35 70.93,23.26 v1(71.58,23.26) ; U105.35 42.93,23.26 v1(43.58,23.26) ; U119#2.35 70.93,45.26 v1(71.58,45.26) ; U101#2.35 14.93,23.26 v1(15.58,23.26) ; v1(57.58,23.26) 56.93,23.26 U107#2.35 ; v1(57.58,61.26) 56.93,61.26 56.87,61.2 ; 42.87,61.2 42.93,61.26 v1(43.58,61.26) ; 28.87,61.2 28.93,61.26 v1(29.58,61.26) ; v1(57.58,7.26) 56.93,7.26 U117.35
